# KiCad board LogicBoard_tht2.kicad_pcb (continued)
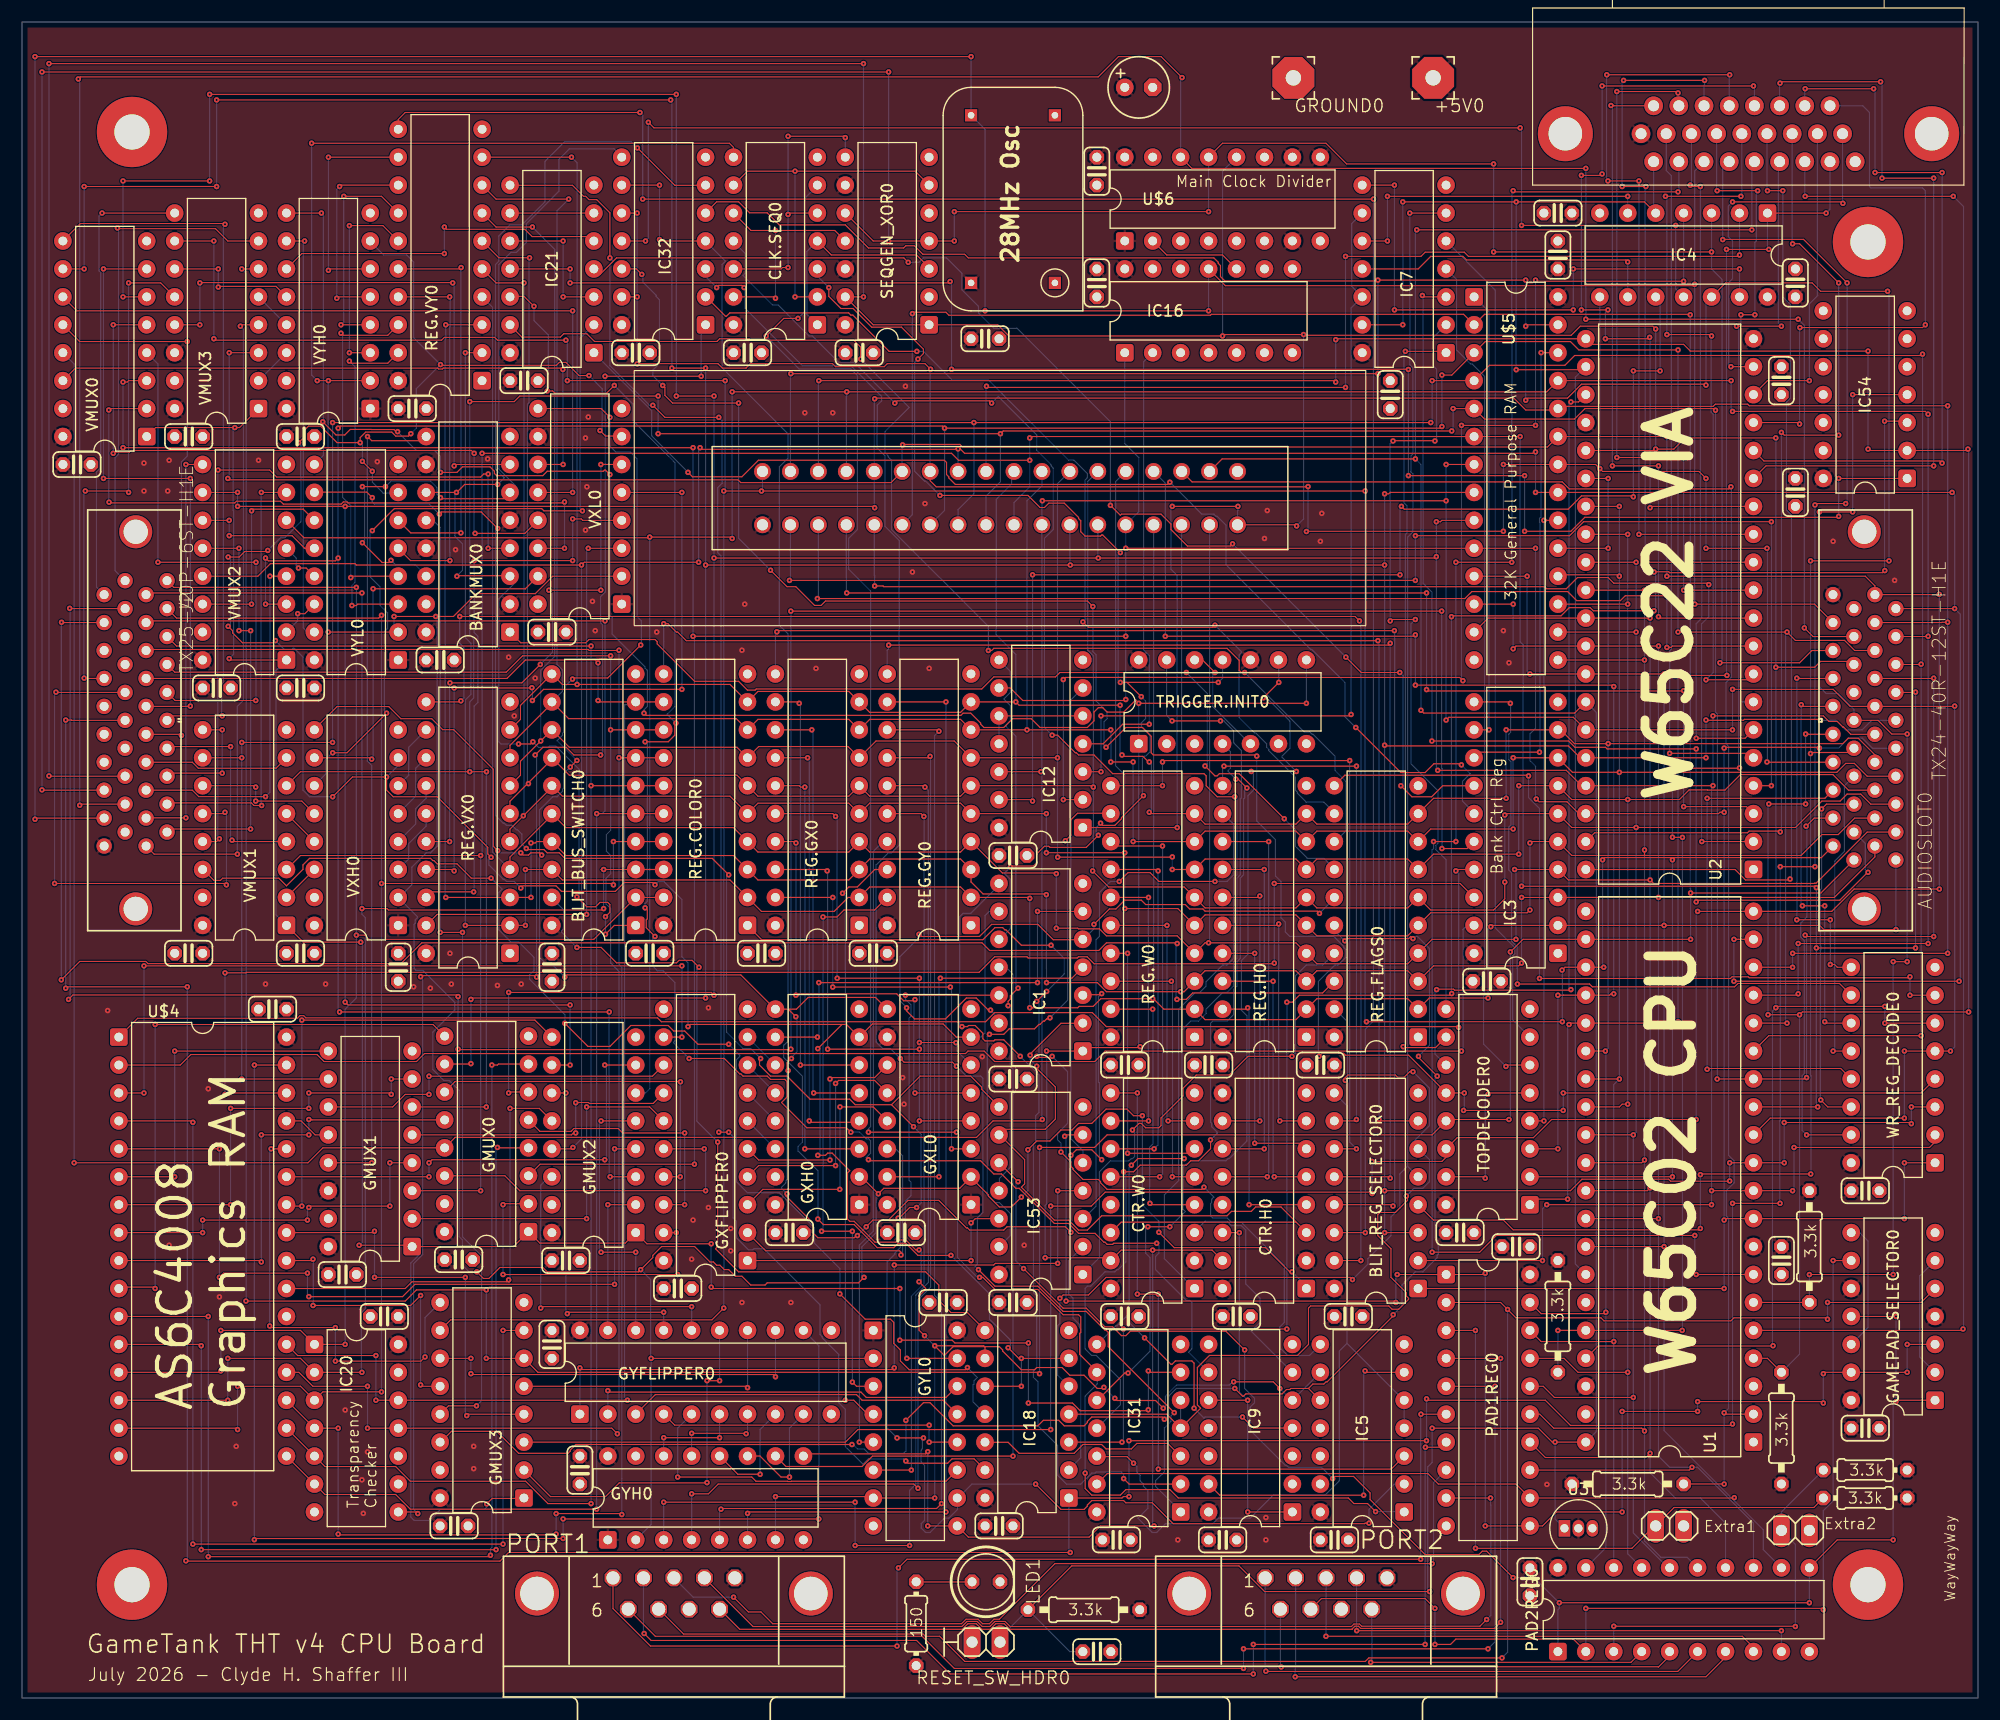
[diagram p0: board, top side]
## Routing (per net, layer and track width the routed paths; a pad name or vN(x,y) marks a point on that pad's centre or on a via; arc(x,y) is an arc through that point) (continued)
D3: length 359.6
  Top w0.102: U$5.15 v1(147.49,94.39) ; v1(100.24,71.78) 105.07,71.78 REG.W0.5 107.54,71.21 115.8,71.21 REG.H0.5 117.7,69.3 125.96,69.3 REG.FLAGS0.5 128.05,71.4 136.82,71.4 v1(137.07,71.65) ; REG.VY0.5 43.09,128.68 v1(45.63,128.68) ; v1(147.49,77.11) 147.49,76.62 ; 147.49,76.62 161.72,76.62 163.61,78.51 165.09,78.51 166.59,80.01 AUDIOSLOT0.37 ; 147.49,76.62 140.87,76.62 IC3.5 137.2,77.88 v1(137.07,77.75) ; v1(147.49,48.92) 147.24,48.67 U1.30 ; v1(93.11,80.42) REG.GY0.5 85.31,81.37 77.06,81.37 REG.GX0.5 75.15,81.37 66.9,81.37 REG.COLOR0.5 64.36,82 49.12,82 BLIT_BUS_SWITCH0.15 48.17,82.82 44.36,79.01 REG.VX0.5 ; v1(93.11,76.86) v1(100.24,76.86) ; PAD1REG0.15 137.96,25.81 139.23,24.54 147.23,24.54 v1(147.49,24.28) ; U2.30 v1(147.49,100.74)
  Bottom w0.102: U$3.P$32 99.42,110.62 99.42,84.75 100.24,83.92 v1(100.24,76.86) v1(100.24,71.78) ; v1(93.11,76.86) v1(93.11,80.42) ; PAD2REG0.15 151.36,12.79 148.97,12.79 147.49,14.28 v1(147.49,24.28) v1(147.49,48.92) v1(147.49,77.11) v1(147.49,94.39) v1(147.49,100.74) ; v1(45.63,128.68) 45.63,80.28 ; v1(137.07,71.65) v1(137.07,77.75)
  vias: v1(45.57,80.22)
D4: length 354
  Top w0.102: v1(97.32,75.21) 98.78,73.75 105.64,73.75 REG.W0.6 107.54,71.84 115.8,71.84 REG.H0.6 117.7,71.84 125.96,71.84 REG.FLAGS0.6 128.05,71.65 133.77,71.65 134.79,72.67 v1(134.79,74.19) ; REG.VY0.6 43.35,130.96 v1(46.14,130.96) ; U1.29 146.46,51.21 v1(146.47,51.21) ; PAD1REG0.16 138.28,28.35 139.3,27.33 v1(146.47,27.33) ; REG.GY0.6 97.25,82.96 v1(97.38,82.83) ; REG.GY0.6 85.31,82 77.06,82 REG.GX0.6 75.15,82 66.9,82 REG.COLOR0.6 64.99,83.91 49.75,83.91 BLIT_BUS_SWITCH0.14 48.17,85.36 44.36,81.55 REG.VX0.6 ; REG.GY0.6 86.27,82.45 ; v1(134.79,80.29) 134.91,80.42 IC3.6 140.87,79.16 v1(146.72,79.16) 161.21,79.16 163.61,81.56 165.27,81.56 165.9,82.19 167.14,82.19 168.06,81.28 AUDIOSLOT0.36 ; U2.29 v1(146.72,103.28) ; U$5.16 v1(146.72,96.93)
  Bottom w0.102: v1(46.14,130.96) 46.09,130.91 46.09,117.79 45.94,117.64 45.94,83.23 v1(46.03,83.14) ; v1(134.79,74.19) v1(134.79,80.29) ; PAD2REG0.16 149.64,11.84 146.47,15.01 v1(146.47,27.33) v1(146.47,51.21) 146.72,51.46 v1(146.72,79.16) v1(146.72,96.93) v1(146.72,103.28) ; U$3.P$31 96.88,110.62 96.88,95.28 97.38,94.78 v1(97.38,82.83) 97.38,75.27 v1(97.32,75.21)
D5: length 349.1
  Top w0.102: U1.28 145.2,53.75 145.45,54 v1(145.96,54) ; REG.VX0.7 45.31,83.91 45.31,85.18 v1(47.15,87.02) BLIT_BUS_SWITCH0.13 49.75,86.45 64.99,86.45 REG.COLOR0.7 66.96,86.51 75.09,86.51 REG.GX0.7 77.63,87.02 84.74,87.02 REG.GY0.7 ; PAD1REG0.17 140.17,30.89 141.44,29.62 v1(145.96,29.62) ; 86.27,84.78 REG.GY0.7 ; REG.GY0.7 v1(94.13,85.5) ; v1(46.39,133.76) 43.09,133.76 REG.VY0.7 ; AUDIOSLOT0.35 166.03,82.55 164.61,83.97 156.21,83.97 154.79,82.55 153.22,82.55 153.2,82.58 151.54,82.58 150.66,81.7 v1(145.96,81.7) 140.87,81.7 IC3.7 v1(136.06,82.96) ; v1(94.15,76.46) 104.54,76.46 v1(104.56,76.48) ; v1(136.06,76.73) 128.31,76.73 REG.FLAGS0.7 125.96,76.29 117.7,76.29 REG.H0.7 115.8,76.29 107.54,76.29 REG.W0.7 v1(104.56,75.34) ; U$5.17 v1(145.96,99.47) ; U2.28 v1(145.96,105.82)
  Bottom w0.102: v1(46.39,133.76) 48.42,131.73 48.42,94.72 47.15,93.45 v1(47.15,87.02) ; v1(104.56,75.34) v1(104.56,76.48) ; v1(145.96,105.82) v1(145.96,99.47) v1(145.96,81.7) v1(145.96,54) v1(145.96,29.62) 145.96,13.11 PAD2REG0.17 ; v1(94.15,76.46) 94.13,76.48 v1(94.13,85.5) 94.13,110.41 U$3.P$30 ; v1(136.06,76.73) v1(136.06,82.96)
D6: length 347.3
  Top w0.102: v1(49.7,136.3) 43.09,136.3 REG.VY0.8 ; v1(101,77.88) REG.W0.8 107.54,78.83 115.8,78.83 REG.H0.8 117.7,78.83 125.96,78.83 REG.FLAGS0.8 128.05,79.02 v1(135.55,79.02) ; U1.27 145.19,56.29 v1(145.2,56.29) ; U$5.18 139.74,102.13 145.07,102.13 v1(145.2,102.01) ; v1(98.97,88.04) v1(91.35,88.04) REG.GY0.8 85.31,88.99 77.06,88.99 REG.GX0.8 75.15,88.99 66.9,88.99 REG.COLOR0.8 64.93,89.05 49.69,89.05 BLIT_BUS_SWITCH0.12 48.17,90.44 44.36,86.63 REG.VX0.8 ; v1(144.69,32.41) 138.09,32.41 PAD1REG0.18 ; v1(145.2,108.36) U2.27 ; v1(98.97,85.12) v1(101,85.12) ; AUDIOSLOT0.34 167.73,83.82 166.56,84.99 165.78,84.99 164.97,84.17 v1(145.2,84.17) 140.93,84.17 IC3.8 v1(135.55,85.5)
  Bottom w0.102: U$3.P$29 92.71,110.22 91.35,108.86 v1(91.35,88.04) ; v1(145.2,108.36) v1(145.2,102.01) v1(145.2,84.17) v1(145.2,56.29) 144.69,55.78 v1(144.69,32.41) PAD2REG0.18 ; v1(135.55,79.02) v1(135.55,85.5) ; BLIT_BUS_SWITCH0.12 49.12,91.53 49.12,93.51 48.63,94 48.63,135.23 v1(49.7,136.3) ; v1(98.97,85.12) v1(98.97,88.04) ; v1(101,77.88) v1(101,85.12)
D7: length 343.9
  Top w0.102: v1(143.93,58.83) 143.92,58.83 U1.26 ; U2.26 v1(144.18,110.9) ; REG.VY0.9 v1(49.95,140.11) ; U$5.19 v1(144.18,104.55) ; AUDIOSLOT0.33 168.43,85.76 166.92,87.27 166,87.27 165.51,86.78 v1(144.18,86.78) 141.12,86.78 139.87,88.04 IC3.9 v1(134.91,88.04) ; v1(99.82,90.28) 90.64,90.28 v1(90.34,90.58) REG.GY0.9 85.31,89.62 77.06,89.62 REG.GX0.9 75.15,91.53 66.9,91.53 REG.COLOR0.9 64.36,92.16 v1(50.46,92.16) 49.12,92.16 BLIT_BUS_SWITCH0.11 45.31,90.26 45.31,88.99 REG.VX0.9 ; v1(99.99,85.75) 100.11,85.62 101.89,85.62 102.4,85.12 v1(102.47,85.12) ; v1(102.47,80.54) 102.59,80.42 REG.W0.9 107.54,79.46 115.8,79.46 REG.H0.9 117.7,79.46 125.96,79.46 REG.FLAGS0.9 128.31,81.81 v1(134.91,81.81) ; v1(143.97,35.08) 143.84,34.95 138.09,34.95 PAD1REG0.19
  Bottom w0.102: v1(144.18,110.9) v1(144.18,104.55) v1(144.18,86.78) 144.18,59.08 v1(143.93,58.83) 143.97,58.79 v1(143.97,35.08) 143.97,13.66 PAD2REG0.19 ; v1(99.82,90.28) 99.82,85.92 v1(99.99,85.75) ; v1(50.46,92.16) 50.46,139.6 v1(49.95,140.11) ; v1(90.34,90.58) 90.34,94.89 88.56,96.67 88.56,108.99 89.95,110.39 89.95,111.32 U$3.P$28 ; v1(102.47,80.54) 102.65,80.73 102.65,84.93 v1(102.47,85.12) ; v1(134.91,81.81) v1(134.91,88.04)
GRAM_PAGE_SEL: length 60.5
  Top w0.102: v1(135.93,64.92) 142.49,64.92 142.74,64.67 155.67,64.67 155.98,64.97 165.21,64.97 WR_REG_DECODE0.10 ; v1(135.29,90.45) 135.17,90.58 IC3.11
  Bottom w0.102: v1(135.29,90.45) 135.31,90.43 135.31,87.8 135.14,87.63 135.14,85.33 135.34,85.13 135.34,79.39 135.14,79.19 135.14,75.3 135.4,75.04 135.4,68.82 135.91,68.31 135.91,66.34 135.93,66.32 v1(135.93,64.92)
RAM_PG_0: length 44.1
  Top w0.102: v1(138.09,122.33) U$5.26 ; v1(137.94,86) 132.5,86 IC3.13
  Bottom w0.102: v1(137.94,86) 137.98,86.05 137.98,106.88 137.94,106.92 137.94,107.25 138.09,107.4 v1(138.09,122.33)
RAM_PG_1: length 41.3
  Top w0.102: v1(133.35,88.04) IC3.12
  Bottom w0.102: U$5.1 133.35,126.05 v1(133.35,88.04)
VIDFLAGS: length 74.7
  Top w0.102: v1(171.62,63.91) WR_REG_DECODE0.7 ; v1(171.62,65.58) 171.53,65.49 157,65.49 156.92,65.58 155.45,65.58 155.3,65.43 v1(137.94,65.43) ; REG.FLAGS0.11 120.24,83.91 136.88,83.91 v1(136.94,83.85)
  Bottom w0.102: v1(137.94,65.43) 137.94,80.88 136.94,81.88 v1(136.94,83.85) ; v1(171.62,65.58) v1(171.62,63.91)
VNMI: length 383.5
  Top w0.102: v1(15.02,64.67) 4.1,64.67 v1(3.98,64.54) ; v1(155.49,24.92) 155.36,24.79 140.75,24.79 138.47,27.08 127.8,27.08 v1(127.67,27.2) ; IC18.1 99.99,18.19 100.11,18.31 v1(100.62,18.31) ; v1(100.62,23.39) 100.63,23.4 v1(127.67,23.4) ; v1(162.98,108.48) 163.11,108.61 v1(165.77,108.61) ; v1(162.98,75.59) v1(159.83,75.59) ; v1(159.8,44.98) v1(155.49,44.98) ; v1(14.9,12.47) 14.92,12.45 43.45,12.45 44.23,13.23 v1(95.29,13.23) ; v1(3.98,88.93) 4.48,88.93 4.51,88.9 J2.10 ; v1(165.9,128.68) 161.94,132.64 154.62,132.64 v1(154.6,132.61)
  Bottom w0.102: v1(100.62,23.39) v1(100.62,18.31) ; v1(3.98,64.54) v1(3.98,88.93) ; v1(165.77,108.61) 165.9,108.74 v1(165.9,128.68) ; v1(127.67,27.2) 127.67,23.4 v1(127.67,23.4) ; v1(159.8,44.98) 159.78,45.01 159.78,52.49 159.83,52.54 v1(159.83,75.59) ; v1(154.6,132.61) 154.6,139.11 J1.4 ; v1(162.98,108.48) v1(162.98,75.59) ; IC18.1 95.16,13.37 v1(95.29,13.23) ; v1(15.02,64.67) 15.02,12.6 v1(14.9,12.47) ; v1(155.49,44.98) v1(155.49,24.92)
~{AUD_NMI}: length 32.7
  Top w0.102: v1(163.51,54.38) 164.14,53.75 WR_REG_DECODE0.14 ; AUDIOSLOT0.16 164.02,81.28 v1(163.58,80.84)
  Bottom w0.102: v1(163.51,54.38) 163.47,54.42 163.47,67.99 163.51,68.04 163.51,68.37 163.47,68.41 163.47,73.47 163.58,73.59 v1(163.58,80.84)
~{CLK7}: length 112.1
  Top w0.102: v1(130.98,92.5) 130.68,92.8 94.84,92.8 v1(94.65,92.61) ; v1(137.58,115.72) v1(130.85,115.72) ; v1(151.04,128.83) 137.68,128.83 v1(137.58,128.93) ; v1(94.65,81.69) IC12.2
  Bottom w0.102: v1(130.98,92.5) 130.85,92.63 v1(130.85,115.72) ; v1(94.65,92.61) v1(94.65,81.69) ; IC4.4 v1(151.04,128.83) ; v1(137.58,128.93) v1(137.58,115.72)
~{GAMEPAD1R}: length 137.2
  Top w0.102: v1(133.01,15.65) PAD1REG0.11 138.21,15.65 139.48,16.92 v1(145.45,16.92) ; v1(94.78,51.08) 94.91,51.21 IC53.6 ; v1(171.36,32.16) GAMEPAD_SELECTOR0.3 ; v1(152.31,26.95) 163.61,26.95 v1(163.74,26.82) ; v1(171.36,29.62) GAMEPAD_SELECTOR0.13 163.87,29.62 v1(163.74,29.49) ; v1(124.88,35.97) 124.75,36.09 v1(94.91,36.09) ; v1(145.45,26.06) v1(152.31,26.06) ; v1(125.01,38.51) PAD1REG0.1 132.88,38.51 v1(133.01,38.63)
  Bottom w0.102: v1(152.31,26.06) v1(152.31,26.95) ; v1(94.91,36.09) 94.91,50.95 v1(94.78,51.08) ; v1(133.01,38.63) v1(133.01,15.65) ; v1(124.88,35.97) 124.88,38.38 v1(125.01,38.51) ; v1(163.74,26.82) v1(163.74,29.49) ; v1(171.36,29.62) v1(171.36,32.16) ; v1(145.45,16.92) v1(145.45,26.06)
~{GAMEPAD2R}: length 144.6
  Top w0.102: v1(111.14,31.65) 109.44,33.35 100.74,33.35 100.34,32.95 99.94,32.95 99.14,33.75 98.44,33.75 96.74,35.45 94.64,35.45 v1(91.04,39.05) ; v1(119.14,19.95) 119.34,20.15 121.04,20.15 122.54,18.65 122.54,18.05 127.54,13.05 132.44,13.05 132.74,13.35 133.14,13.35 v1(135.54,10.95) ; v1(162.47,8.66) v1(139.74,8.66) ; v1(90.54,46.95) 88.84,48.65 ; PAD2REG0.11 165.01,14.38 v1(170.09,14.38) ; GAMEPAD_SELECTOR0.11 v1(170.35,34.7) ; v1(170.35,26.95) 170.47,27.08 GAMEPAD_SELECTOR0.1
  Bottom w0.102: v1(90.54,46.95) 90.34,46.75 90.34,39.75 v1(91.04,39.05) ; 139.74,8.65 137.44,10.95 v1(135.54,10.95) ; PAD2REG0.11 v1(162.47,8.66) ; v1(119.14,19.95) 118.14,20.95 115.14,20.95 114.94,21.15 114.84,21.15 111.64,24.35 111.64,26.45 112.04,26.85 112.04,27.25 111.14,28.15 v1(111.14,31.65) ; v1(139.74,8.66) 139.74,8.15 139.61,8.03 PAD2REG0.1 ; v1(170.09,14.38) 170.09,26.7 v1(170.35,26.95) v1(170.35,34.7)
~{IRQ}: length 263.4
  Top w0.102: R4.2 158.66,30.89 U1.4 ; v1(167.81,122.48) 151.65,122.48 151.04,123.09 142.66,123.09 U2.21 119.5,123.6 v1(119.42,123.51) ; v1(72.43,119.79) 119.29,119.79 v1(119.42,119.66) ; v1(162.13,81.3) v1(158.79,81.3) ; v1(162.13,87.66) 162.16,87.63 AUDIOSLOT0.11 ; v1(158.72,62.13) v1(161.58,62.13) 161.84,62.38 v1(176.95,62.38) ; v1(167.81,113.56) 167.93,113.44 IC54.2 176.76,113.44 v1(176.89,113.56)
  Bottom w0.102: v1(119.42,119.66) v1(119.42,123.51) ; v1(176.89,113.56) 176.95,113.5 v1(176.95,62.38) ; v1(158.72,62.13) 158.72,81.22 v1(158.79,81.3) ; v1(161.58,62.13) 161.58,31.27 R4.2 ; v1(167.81,113.56) v1(167.81,122.48) ; v1(72.43,119.79) 72.39,119.75 U$3.P$21 ; v1(162.13,81.3) v1(162.13,87.66)
~{NMI}: length 110.5
  Top w0.102: v1(170.09,66.95) v1(171.36,66.95) ; v1(171.36,87.66) 169.96,87.66 168.72,88.9 AUDIOSLOT0.10 ; v1(163.38,107.85) v1(166.41,107.85) ; v1(166.41,118.52) IC54.4 ; v1(162.47,38.51) v1(170.09,38.51) ; U1.6 R3.2
  Bottom w0.102: v1(166.41,107.85) v1(166.41,118.52) ; v1(171.36,66.95) v1(171.36,87.66) ; v1(163.38,107.85) 163.38,91.95 164,91.34 165.07,91.34 166.52,89.89 AUDIOSLOT0.10 ; v1(170.09,38.51) v1(170.09,66.95) ; R3.2 v1(162.47,38.51)
~{RE2}: length 188.8
  Top w0.102: v1(116.9,110.16) 116.88,110.13 83.1,110.13 82.55,110.68 U$3.P$25 ; v1(153.07,110.9) 152.44,111.53 143.68,111.53 v1(143.42,111.79) 143.04,112.17 U$5.22 v1(134.66,112.17) ; v1(158.62,85.12) 158.64,85.09 AUDIOSLOT0.13 ; v1(55.92,127.41) IC32.13 ; v1(134.66,106.09) 116.77,106.09 v1(116.75,106.07) ; v1(55.92,135.03) IC32.10 ; v1(55.92,121.31) 55.94,121.33 63.26,121.33 63.67,120.93 65.82,120.93 65.82,120.95 66.21,121.33 73.68,121.33 73.95,121.06 78.38,121.06 78.65,121.33 82.08,121.33 v1(82.59,120.82) ; v1(158.62,104.55) v1(153.07,104.55)
  Bottom w0.102: v1(55.92,121.31) v1(55.92,127.41) v1(55.92,135.03) ; v1(82.59,120.82) 82.55,120.79 U$3.P$25 ; v1(116.75,106.07) 116.9,106.22 v1(116.9,110.16) ; v1(134.66,112.17) v1(134.66,106.09) ; v1(153.07,104.55) v1(153.07,110.9) ; v1(158.62,85.12) 158.66,85.16 158.66,104.5 v1(158.62,104.55) ; IC4.8 v1(143.42,111.79)
~{VID_SEL}: length 140.1
  Top w0.102: IC7.6 v1(126.15,135.03) ; v1(120.94,38.05) 120.74,38.25 98.54,38.25 96.94,36.65 94.64,36.65 v1(94.34,36.35)
  Bottom w0.102: 95.14,28.35 94.14,29.35 94.14,33.85 94.34,34.05 v1(94.34,36.35) ; v1(120.94,38.05) 122.34,39.45 122.34,39.95 124.44,42.05 124.44,43.75 125.24,44.55 125.24,47.65 125.94,48.35 ; v1(126.15,135.03) 126.15,121.25 126.42,120.97 126.42,113.13 126.24,112.95 126.24,111.5 126.42,111.32 126.42,106.03 125.95,105.56 125.95,48.35 BLIT_REG_SELECTOR0.5
~{WAV_SEL}: length 102.2
  Top w0.102: v1(167.81,75.08) 167.77,75.08 165.23,72.54 152.33,72.54 v1(152.18,72.39) ; IC7.3 127.42,127.41 v1(127.29,127.53) ; v1(152.18,86.3) 144.09,86.3 143.94,86.45 141.16,86.45 140.59,87.02 v1(128.16,87.02)
  Bottom w0.102: AUDIOSLOT0.18 167.55,77.71 167.55,75.34 v1(167.81,75.08) ; v1(127.29,127.53) 127.37,127.46 127.37,101.36 128.16,100.57 v1(128.16,87.02) ; v1(152.18,86.3) v1(152.18,72.39)
~{WE2}: length 338.5
  Top w0.102: v1(136.69,118.01) 136.88,118.2 140.49,118.2 141.76,119.47 152.99,119.47 ; IC4.12 154.86,128.68 162.73,128.68 163.49,127.91 v1(169.58,127.91) ; U$5.27 136.82,124.87 v1(136.69,124.74) ; 152.57,47.52 152.57,47.59 ; v1(152.57,42.7) 152.44,42.57 135.55,42.57 134.66,43.46 128.3,43.46 BLIT_REG_SELECTOR0.4 ; 62.14,135.05 63.14,136.05 65.14,136.05 66.14,135.05 67.74,135.05 68.84,133.95 74.84,133.95 76.94,131.85 80.14,131.85 80.34,132.05 81.12,132.05 81.89,131.28 85.69,131.28 86.02,130.95 108.34,130.95 108.74,130.55 108.74,130.45 108.94,130.25 108.94,129.25 109.34,128.85 123.25,128.85 ; v1(162.58,103.4) v1(169.71,103.4) ; v1(162.6,47.65) 152.63,47.65 ; v1(69.89,120.42) v1(123.25,120.42) ; v1(123.25,128.93) v1(136.69,128.93) ; AUDIOSLOT0.12 166.14,85.97 162.67,85.97 v1(162.58,85.88)
  Bottom w0.102: v1(169.58,127.91) 169.71,127.79 v1(169.71,103.4) ; U$3.P$20 69.85,120.38 ; 162.62,47.67 162.62,56.58 162.58,56.62 v1(162.58,85.88) v1(162.58,103.4) ; v1(153.07,119.38) 153.07,126.89 IC4.12 ; v1(152.57,42.7) 152.57,47.52 ; v1(136.69,128.93) v1(136.69,124.74) v1(136.69,118.01) ; v1(123.25,120.42) v1(123.25,128.93)
  vias: v1(152.57,47.59)
Net-(BANKMUX0A-1Y): length 68.9
  Top w0.102: v1(17.95,78.13) 17.69,77.88 VMUX1.13 ; v1(42.37,104.55) BANKMUX0.4 ; v1(42.37,111.3) 41.97,111.3 41.69,111.02 23.15,111.02 22.52,111.66 v1(17.82,111.66)
  Bottom w0.102: v1(17.82,111.66) 17.8,111.64 17.8,78.28 v1(17.95,78.13) ; v1(42.37,111.3) v1(42.37,104.55)
Net-(BANKMUX0A-2Y): length 50.9
  Top w0.102: v1(16.17,128.68) 16.19,128.7 39.13,128.7 v1(39.15,128.68) ; BANKMUX0.7 39.41,112.17 v1(39.28,112.04) ; v1(16.17,124.87) VMUX3.13
  Bottom w0.102: v1(39.28,112.04) 39.28,128.55 v1(39.15,128.68) ; v1(16.17,128.68) v1(16.17,124.87)
Net-(BANKMUX0A-3Y): length 75.8
  Top w0.102: v1(31.41,114.71) 31.79,114.33 36.36,114.33 BANKMUX0.9 ; GMUX1.13 v1(31.79,48.67)
  Bottom w0.102: v1(31.41,114.71) 31.39,114.68 31.39,85.2 31.79,84.8 v1(31.79,48.67)
Net-(BANKMUX0A-4Y): length 88
  Top w0.102: v1(40.04,69.62) v1(38.01,69.62) ; v1(41.31,26.57) 38.77,26.57 GMUX3.13
  Bottom w0.102: v1(38.01,69.62) 38.01,106.45 37.38,107.09 BANKMUX0.12 ; v1(40.04,69.62) 40.04,41.93 41.78,40.2 41.78,27.03 v1(41.31,26.57)
Net-(BLIT_BUS_SWITCH0C-~{G}): length 72.6
  Top w0.102: v1(50.44,68.25) 52.64,68.25 54.04,66.85 59.5,66.85 59.73,67.08 60.91,67.08 v1(61.54,66.45) ; v1(63.24,50.55) 63.24,41.05 63.04,40.85 65.14,38.75 82.14,38.75 83.34,37.55 83.34,36.15 84.44,35.05 85.94,35.05 87.54,33.45
  Bottom w0.102: v1(50.44,68.25) 49.04,69.65 49.04,69.75 49.24,69.95 49.24,71.65 48.14,72.75 ; v1(63.24,50.55) 61.34,52.45 61.34,66.25 v1(61.54,66.45)
Net-(BLIT_REG_SELECTOR0B-Y0): length 153.7
  Top w0.102: BLIT_REG_SELECTOR0.15 v1(121.7,39.78) ; v1(121.58,97.94) 121.17,98.35 v1(39.79,98.35) ; REG.VX0.11 39.8,90.58 v1(39.89,90.67)
  Bottom w0.102: v1(39.79,98.35) 39.79,95.91 40.17,95.53 40.17,90.95 v1(39.89,90.67) ; v1(121.58,97.94) 121.7,97.82 v1(121.7,39.78)
Net-(BLIT_REG_SELECTOR0B-Y1): length 194.6
  Top w0.102: BLIT_REG_SELECTOR0.14 v1(122.11,42.32) ; v1(122.85,136.3) v1(56.43,136.3) ; v1(56.17,144.17) 34.84,144.17 34.2,143.54 REG.VY0.11
  Bottom w0.102: v1(122.11,42.32) 122.11,60.82 122.85,61.56 v1(122.85,136.3) ; v1(56.17,144.17) 56.43,143.92 v1(56.43,136.3)
Net-(BLIT_REG_SELECTOR0B-Y2): length 117.9
  Top w0.102: v1(124.63,44.73) 124.5,44.86 BLIT_REG_SELECTOR0.13 ; v1(124.75,97.05) 68.72,97.05 v1(68.62,96.95)
  Bottom w0.102: v1(124.63,44.73) 124.77,44.88 124.77,97.03 v1(124.75,97.05) ; REG.GX0.11 68.49,96.82 v1(68.62,96.95)
Net-(BLIT_REG_SELECTOR0B-Y3): length 102.1
  Top w0.102: v1(124.37,95.91) 124.2,95.74 v1(78.78,95.74) ; BLIT_REG_SELECTOR0.12 124.24,47.4 v1(124.37,47.27)
  Bottom w0.102: v1(124.37,47.27) v1(124.37,95.91) ; v1(78.78,95.74) 78.78,95.4 78.65,95.27 REG.GY0.11
Net-(BLIT_REG_SELECTOR0B-Y4): length 61.5
  Top w0.102: v1(103.67,82.96) REG.W0.11 ; v1(120.69,85.24) 103.8,85.24 v1(103.67,85.12) ; BLIT_REG_SELECTOR0.11 v1(121.3,49.94)
  Bottom w0.102: v1(120.69,85.24) 120.69,50.55 v1(121.3,49.94) ; v1(103.67,85.12) v1(103.67,82.96)
Net-(BLIT_REG_SELECTOR0B-Y5): length 48.1
  Top w0.102: v1(121.3,84.73) v1(109.26,84.73) ; v1(121.3,52.6) 121.17,52.48 BLIT_REG_SELECTOR0.10
  Bottom w0.102: REG.H0.11 109.13,84.61 v1(109.26,84.73) ; v1(121.3,52.6) v1(121.3,84.73)
Net-(BLIT_REG_SELECTOR0B-Y7): length 117.3
  Top w0.102: v1(123.25,96.14) 60.38,96.14 59.6,96.93 59.47,96.93 58.71,97.69 v1(58.33,97.69) ; v1(123.36,52.6) 123.48,52.48 BLIT_REG_SELECTOR0.7
  Bottom w0.102: v1(58.33,97.69) 58.33,96.04 58.33,96.03 REG.COLOR0.11 ; v1(123.36,52.6) 123.36,96.04 v1(123.25,96.14)
Net-(CTR.H0A-P0): length 25.5
  Top w0.102: v1(111.54,44.86) CTR.H0.4 ; REG.H0.19 111.29,62.64 v1(111.42,62.76)
  Bottom w0.102: v1(111.42,62.76) 111.54,62.64 v1(111.54,44.86)
Net-(CTR.H0A-P1): length 25.3
  Top w0.102: v1(113.83,47.4) CTR.H0.5 ; REG.H0.18 v1(113.72,65.18)
  Bottom w0.102: v1(113.83,47.4) 113.72,47.5 v1(113.72,65.18)
Net-(CTR.H0A-P2): length 25.1
  Top w0.102: REG.H0.17 v1(112.05,67.72) ; v1(112.05,50.44) 116.24,50.44 CTR.H0.6
  Bottom w0.102: v1(112.05,67.72) v1(112.05,50.44)
Net-(CTR.H0A-P3): length 25.5
  Top w0.102: v1(114.34,52.48) CTR.H0.7 ; v1(114.23,70.38) 114.11,70.26 REG.H0.16
  Bottom w0.102: v1(114.34,52.48) 114.23,52.58 v1(114.23,70.38)
Net-(CTR.H0A-P4): length 27.3
  Top w0.102: v1(112.52,72.92) 112.39,72.8 REG.H0.15 ; v1(112.52,52.48) CTR.H0.10
  Bottom w0.102: v1(112.52,72.92) v1(112.52,52.48)
Net-(CTR.H0A-P5): length 33
  Top w0.102: v1(112.92,49.94) CTR.H0.11 ; REG.H0.14 v1(112.92,75.34)
  Bottom w0.102: v1(112.92,75.34) v1(112.92,49.94)
Net-(CTR.H0A-P6): length 38.8
  Top w0.102: v1(113.2,47.4) CTR.H0.12 ; REG.H0.13 v1(113.32,77.88)
  Bottom w0.102: v1(113.32,77.88) 113.32,47.52 v1(113.2,47.4)
Net-(CTR.W0A-P0): length 25.7
  Top w0.102: REG.W0.19 v1(102.78,62.64) ; v1(102.53,44.98) 102.65,44.86 CTR.W0.4
  Bottom w0.102: v1(102.78,62.64) 102.8,62.61 102.8,50.4 102.51,50.1 102.51,45.01 v1(102.53,44.98)
Net-(CTR.W0A-P1): length 25.4
  Top w0.102: v1(104.56,47.4) CTR.W0.5 ; REG.W0.18 v1(104.48,65.18)
  Bottom w0.102: v1(104.56,47.4) 104.58,47.42 104.58,65.08 v1(104.48,65.18)
Net-(CTR.W0A-P2): length 26
  Top w0.102: REG.W0.17 v1(100.5,67.72) ; v1(100.5,49.53) 106.18,49.53 CTR.W0.6
  Bottom w0.102: v1(100.5,67.72) v1(100.5,49.53)
Net-(CTR.W0A-P3): length 25.3
  Top w0.102: v1(104.18,52.48) CTR.W0.7 ; REG.W0.16 v1(104.08,70.26)
  Bottom w0.102: v1(104.18,52.48) 104.08,52.58 v1(104.08,70.26)
Net-(CTR.W0A-P4): length 27.2
  Top w0.102: v1(102.4,72.8) REG.W0.15 ; CTR.W0.10 v1(102.4,52.48)
  Bottom w0.102: v1(102.4,72.8) 102.38,72.77 102.38,52.88 102.4,52.86 v1(102.4,52.48)
Net-(CTR.W0A-P5): length 33.7
  Top w0.102: CTR.W0.11 v1(102.91,49.94) ; REG.W0.14 103.15,75.34 v1(103.27,75.21)
  Bottom w0.102: v1(103.27,75.21) 103.27,50.3 v1(102.91,49.94)
Net-(CTR.W0A-P6): length 39.5
  Top w0.102: CTR.W0.12 v1(103.42,47.4) ; v1(103.67,77.47) 99.37,77.47 REG.W0.13
  Bottom w0.102: v1(103.67,77.47) 103.68,77.47 103.68,47.66 v1(103.42,47.4)
Net-(CTR.W0A-PL): length 61.4
  Top w0.102: v1(103.29,36.73) v1(101.38,36.73) ; v1(101.38,55.02) CTR.W0.9 ; v1(103.29,20.81) 124.46,20.81 IC5.3
  Bottom w0.102: v1(101.38,36.73) v1(101.38,55.02) ; v1(103.29,20.81) v1(103.29,36.73)
Net-(GAMEPAD_SELECTOR0A-D): length 11.3
  Bottom w0.102: GAMEPAD_SELECTOR0.6 172.5,38.38 172.5,31.01 GAMEPAD_SELECTOR0.2
Net-(GAMEPAD_SELECTOR0A-Q): length 158
  Top w0.102: GAMEPAD_SELECTOR0.5 172.63,35.97 v1(164.12,35.97) ; v1(164.12,34.44) 164,34.57 155.61,34.57 155.34,34.29 143.8,34.29 143.53,34.57 135.8,34.57 v1(135.04,35.33) 134.4,35.97 PAD1REG0.2 ; PORT1.7 60.14,5.82 81.91,5.82 82.11,5.61 83.41,5.61 85.7,3.33 122.11,3.33 122.43,3.65 v1(134.53,3.65)
  Bottom w0.102: v1(164.12,34.44) v1(164.12,35.97) ; v1(135.04,35.33) 135.04,4.15 v1(134.53,3.65)
Net-(GAMEPAD_SELECTOR0B-D): length 11.9
  Bottom w0.102: GAMEPAD_SELECTOR0.12 167.81,33.69 167.81,41.55 167.04,42.32 GAMEPAD_SELECTOR0.8
Net-(GAMEPAD_SELECTOR0B-Q): length 89.1
  Top w0.102: v1(142.15,8.15) 163.61,8.15 v1(163.74,8.03) ; v1(164.63,39.78) GAMEPAD_SELECTOR0.9 ; v1(128.44,8.15) 127.55,9.04 118.12,9.04 PORT2.7 ; PAD2REG0.2 141.01,5.36 130.34,5.36 129.85,4.87 v1(128.44,4.87)
  Bottom w0.102: v1(164.63,39.78) 164.63,17.93 163.74,17.04 v1(163.74,8.03) ; PAD2REG0.2 v1(142.15,8.15) ; v1(128.44,8.15) v1(128.44,4.87)
Net-(GMUX0A-1A): length 29.6
  Top w0.102: GMUX0.2 43.81,44.95 v1(43.73,44.86) ; v1(43.73,38.51) v1(59.6,38.51) ; v1(59.47,42.32) GXFLIPPER0.19
  Bottom w0.102: v1(59.47,42.32) 59.6,42.19 v1(59.6,38.51) ; v1(43.73,44.86) v1(43.73,38.51)
Net-(GMUX0A-1Y): length 92.3
  Top w0.102: v1(43.22,50.06) 43.26,50.03 GMUX0.4 ; v1(16.29,32.03) 16.17,32.16 U$4.12 ; v1(16.29,13.49) v1(43.09,13.49)
  Bottom w0.102: v1(43.22,50.06) 43.09,49.94 v1(43.09,13.49) ; v1(16.29,32.03) v1(16.29,13.49)
Net-(GMUX0A-2A): length 23.3
  Top w0.102: v1(60.24,44.86) GXFLIPPER0.18 ; v1(60.24,51.38) 54.6,51.38 54.2,51.78 50.16,51.78 49.9,51.52 47.08,51.52 GMUX0.5
  Bottom w0.102: v1(60.24,51.38) v1(60.24,44.86)
Net-(GMUX0A-2Y): length 103.7
  Top w0.102: v1(16.93,12.85) 42.46,12.85 v1(42.58,12.98) ; GMUX0.7 43.31,57.65 43.22,57.56 v1(42.71,57.56) ; U$4.11 v1(16.93,34.7)
  Bottom w0.102: v1(42.71,57.56) 42.71,13.68 42.58,13.55 v1(42.58,12.98) ; v1(16.93,34.7) v1(16.93,12.85)
Net-(GMUX0A-3A): length 32
  Top w0.102: v1(59.83,47.4) GXFLIPPER0.17 ; v1(59.86,56.03) 59.83,56.06 39.37,56.06 GMUX0.11
  Bottom w0.102: v1(59.86,56.03) 59.83,56.01 v1(59.83,47.4)
Net-(GMUX0A-3Y): length 54.2
  Top w0.102: U$4.10 8.93,37.36 11.98,37.36 v1(12.1,37.24) ; v1(12.1,61.24) 37.36,61.24 GMUX0.9
  Bottom w0.102: v1(12.1,37.24) v1(12.1,61.24)
Net-(GMUX0A-4A): length 31.8
  Top w0.102: v1(62.14,46.13) 45.25,46.13 43.89,47.49 GMUX0.14 ; v1(62.01,49.94) GXFLIPPER0.16
  Bottom w0.102: v1(62.01,49.94) 62.14,49.81 v1(62.14,46.13)
Net-(GMUX0A-4Y): length 42.6
  Top w0.102: v1(26.07,52.6) 26.33,52.6 26.37,52.57 GMUX0.12 ; U$4.9 21.63,39.78 v1(21.76,39.65) ; v1(21.76,51.21) v1(26.07,51.21)
  Bottom w0.102: v1(21.76,39.65) v1(21.76,51.21) ; v1(26.07,51.21) v1(26.07,52.6)
Net-(GMUX1A-1A): length 33.5
  Top w0.102: GMUX1.2 v1(51.32,43.59) ; GXFLIPPER0.15 57.06,53.75 v1(51.32,53.75)
  Bottom w0.102: v1(51.32,43.59) v1(51.32,53.75)
Net-(GMUX1A-1Y): length 32.9
  Top w0.102: U$4.8 v1(16.42,42.32) ; v1(33.44,48.67) GMUX1.4 ; v1(33.44,44.73) 26.2,44.73 v1(26.07,44.6) ; v1(16.42,43.46) v1(25.95,43.46)
  Bottom w0.102: v1(16.42,42.32) v1(16.42,43.46) ; v1(25.95,43.46) 25.95,44.48 v1(26.07,44.6) ; v1(33.44,44.73) v1(33.44,48.67)
Net-(GMUX1A-2A): length 26.1
  Top w0.102: v1(50.33,51.38) 50.12,51.38 49.95,51.21 GMUX1.5 ; v1(50.33,54.13) 50.35,54.15 51.49,54.15 51.58,54.06 57.37,54.06 GXFLIPPER0.14
  Bottom w0.102: v1(50.33,54.13) v1(50.33,51.38)
Net-(GMUX1A-2Y): length 38.3
  Top w0.102: v1(18.96,53.62) v1(26.07,53.62) ; v1(26.07,55.02) 33.44,55.02 v1(33.57,54.89) ; v1(33.57,56.29) GMUX1.7 ; U$4.7 v1(18.96,44.86)
  Bottom w0.102: v1(18.96,44.86) v1(18.96,53.62) ; v1(33.57,54.89) v1(33.57,56.29) ; v1(26.07,53.62) v1(26.07,55.02)
Net-(GMUX1A-3A): length 33
  Top w0.102: GMUX1.11 33.69,53.75 34.84,54.89 v1(37,54.89) ; v1(37,56.54) 57.31,56.54 GXFLIPPER0.13
  Bottom w0.102: v1(37,56.54) v1(37,54.89)
Net-(GMUX1A-3Y): length 30.5
  Top w0.102: U$4.6 v1(13.88,47.4) ; v1(13.88,58.83) GMUX1.9
  Bottom w0.102: v1(13.88,47.4) v1(13.88,58.83)
Net-(GMUX1A-4Y): length 4.3
  Top w0.102: U$4.29 25.37,52.48 26.64,51.21 GMUX1.12
Net-(GMUX2A-1A): length 14
  Top w0.102: v1(53.25,44.86) GMUX2.2
  Bottom w0.102: GYFLIPPER0.19 v1(53.25,44.86)
Net-(GMUX2A-1Y): length 73.7
  Top w0.102: v1(26.07,36.5) 34.59,36.5 35.71,37.62 v1(53.86,37.62) ; v1(53.86,49.94) GMUX2.4 ; v1(25.95,38.63) 18.33,38.63 v1(17.95,38.25) ; U$4.5 v1(17.95,49.94)
  Bottom w0.102: v1(25.95,38.63) 25.95,36.62 v1(26.07,36.5) ; v1(53.86,37.62) v1(53.86,49.94) ; v1(17.95,49.94) v1(17.95,38.25)